# Altium PCB DCAC_V2b.PcbDoc (part 2 of 7)
Units mm, origin at the board's own origin, x right, y up, seen from the top; angles counter-clockwise.
Board outline 174.4 x 124.43 mm, 4 copper layers (Top Layer, TOP_RTN, BOTT_RTN, Bottom Layer), stack 1.506 mm thick; 694 components, 367 nets, 1780 pads, 720 vias.
Unrouted connection lines stored in the file: 173.
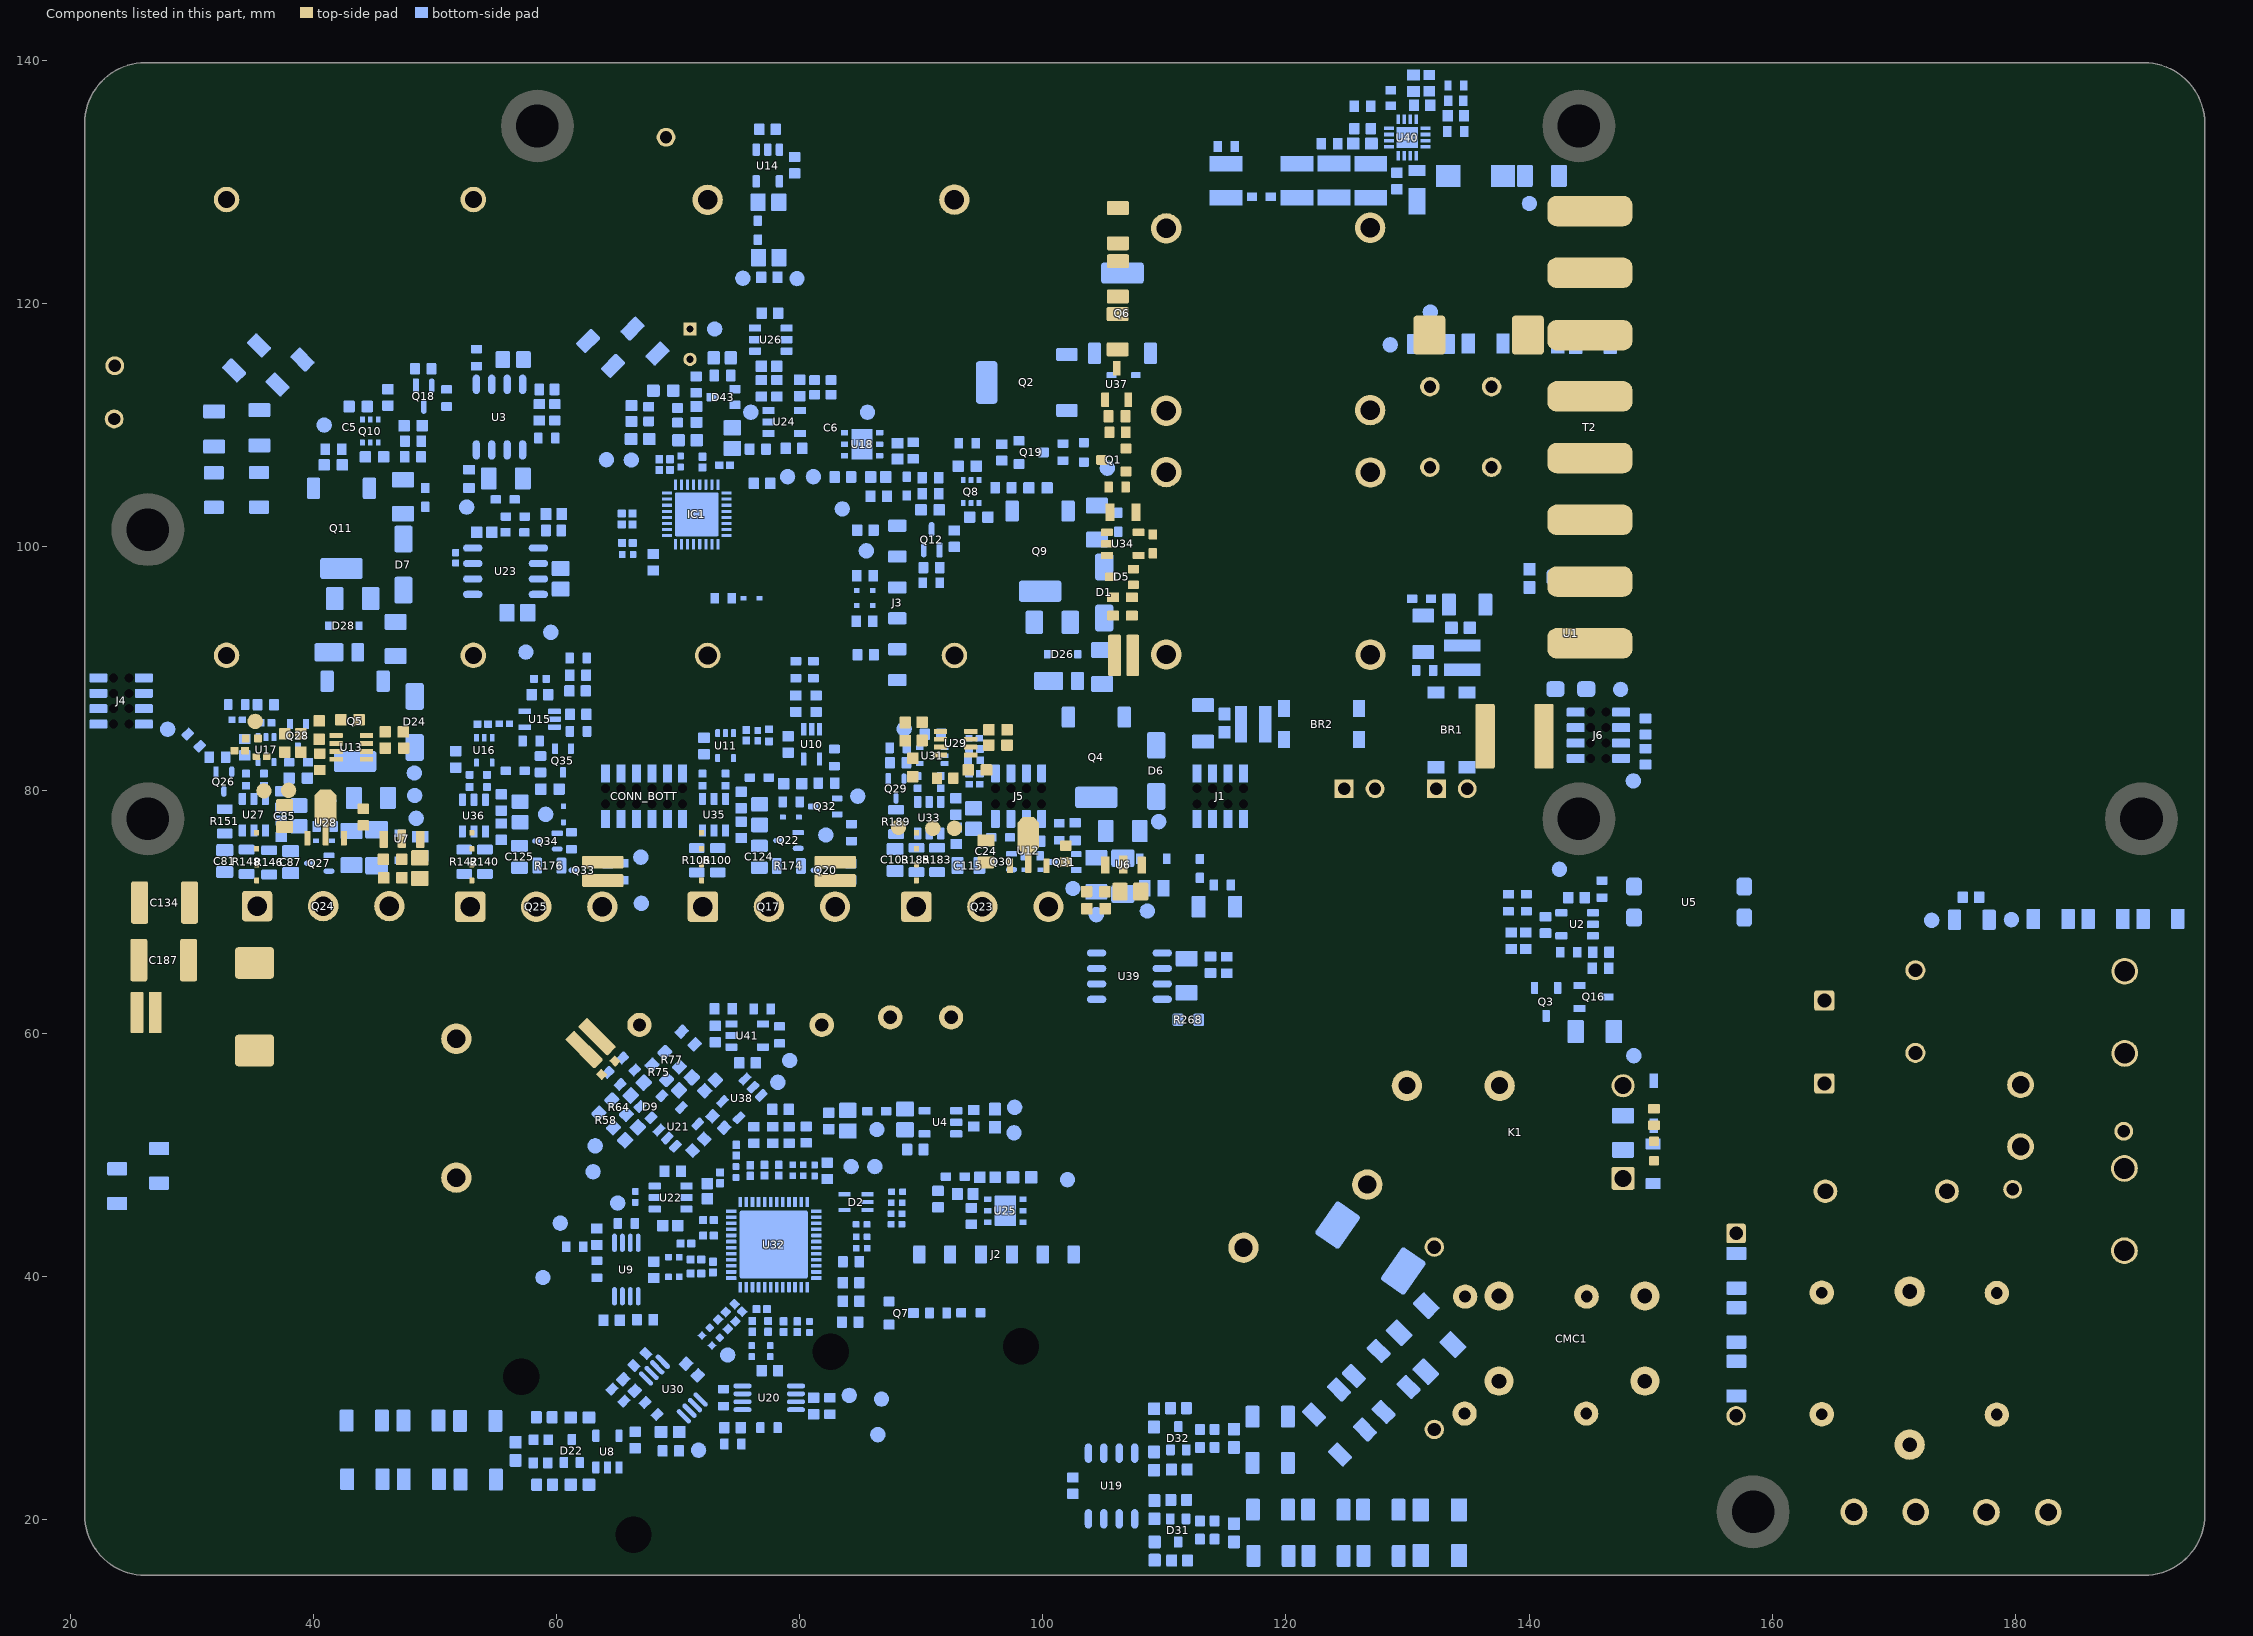
[diagram p4: the components of this part, seen from the top]

## Components (designator, comment, footprint, x,y, rotation, side; value= is the part's Value field where it differs from the comment) (continued)
R134 "422K 0.1% 1206" RESC1206(3216)_N 48.875,23.3 r180 bottom value="1500000.00 Ohm"
R135 "422K 0.1% 1206" RESC1206(3216)_N 53.55,23.275 r180 bottom value="1500000.00 Ohm"
R136 "499R 0.1%" RESC1608X55X30LL20T20 58.681,24.654 r0 bottom
R137 "1K" RESC1608X55X30NL15T15#1 69.395,25.63 r180 bottom
R138 "330R" RESC1608X55X25NL10T15#1 53.4,115.575 r270 bottom
R139 "422K 0.1% 1206" RESC1206(3216)_N 44.175,28.125 r180 bottom value="1500000.00 Ohm"
R140 "4.7R" RESC2012X70N 54.1,74.1 r270 bottom value=N/A
R141 "33K" RESC1005X40X25ML05T05#1 52.85,80.75 r270 bottom
R142 "1R" RESC2012X70N 52.4,74.1 r270 bottom value=N/A
R143 "10K" RESC1609X55X30NL15T15#2 79.425,80.525 r0 bottom
R144 "1K" RESC1005X40X25NL05T10 33.725,85.775 r0 bottom
R145 "51K" RESC1005X40X25ML05T05#1 35.925,80.85 r270 bottom
R146 "4.7R" RESC2012X70N 36.35,74.05 r270 bottom value=N/A
R147 "51K" RESC1005X40X25ML05T05#1 34.45,80.85 r270 bottom
R148 "1R" RESC2012X70N 34.5,74.1 r270 bottom value=N/A
R149 "33K" RESC1005X40X25ML05T05#2 34.925,84.25 r180 top
R150 "10K" RESC1609X55X30NL15T15#2 38.75,80.985 r0 bottom
R151 "6.2R" RESC2012X70N 32.7,77.425 r270 bottom value=N/A
R152 "1R" RESC1608X55X30NL15T15#3 145.875,65.325 r180 bottom
R153 "330R" RESC1608X55X25NL10T15#2 30.15,84.1 r315 bottom
R154 "330R" RESC1608X55X25NL10T15#2 33.675,87.025 r0 bottom
R155 "330R" RESC1608X55X25NL10T15#2 40.95,77 r0 bottom
R156 "1K" RESC1005X40X25NL05T10 94.35,84.25 r180 bottom
R157 "100k" RESC1608X55X30NL15T15#2 32.1,82.7 r180 bottom
R158 "100k" RESC1608X55X30NL15T15#2 36.075,87.025 r180 bottom
R159 "33K" RESC1005X40X25ML05T05#2 94.35,82.45 r0 bottom
R160 "49.9R" RESC1005X40X25NL05T05#1 65.85,99.375 r0 bottom
R161 "0R 1206" RESC3216X70X50NL05T20#2 31.8,104.675 r90 bottom
R162 "10K" RESC1609X55X30NL15T15#1 38.965,83.87 r90 top
R163 "2K" RESC1609X55X30NL15T15#1 40.465,84.935 r90 top
R164 "10K" RESC1609X55X30NL15T15#1 37.64,83.87 r90 top
R165 "56K" RESC1609X55X30NL15T15#1 46.64,84.78 r180 top
R166 "10K" RESC1609X55X30NL15T15#1 46.66,83.455 r0 top
R167 "10K" RESC1609X55X30NL15T15#1 43.01,85.78 r0 top
R168 "422K 0.1% 1206" RESC1206(3216)_N 31.825,109.7 r270 bottom value="1500000.00 Ohm"
R169 "422K 0.1% 1206" RESC1206(3216)_N 34.5,115.55 r225 bottom value="1500000.00 Ohm"
R170 "422K 0.1% 1206" RESC1206(3216)_N 67.275,116.925 r135 bottom value="1500000.00 Ohm"
R171 "49.9R" RESC1608X55X30NL15T15#1 85.425,91.125 r0 bottom
R172 "1K" RESC1005X40X25NL05T10 94.375,80.475 r180 bottom
R173 "422K 0.1% 1206" RESC1206(3216)_N 48.85,28.125 r180 bottom value="1500000.00 Ohm"
R174 "6.2R" RESC2012X70N 79.1,73.755 r180 bottom value=N/A
R175 "10K" RESC1609X55X30NL15T15#2 59.45,80.075 r0 bottom
R176 "6.2R" RESC2012X70N 59.4,73.785 r180 bottom value=N/A
R177 "330R" RESC1608X55X25NL10T15#2 73.7,95.775 r0 bottom
R178 "18K" RESC1608X55X30NL20T20#1 59.775,102.7 r180 bottom
R179 "10K" RESC1609X50X30NL10T20 59.75,101.35 r0 bottom
R180 "49.9R" RESC1005X40X25NL05T05#1 80.3,48.725 r90 bottom
R181 "51K" RESC1005X40X25ML05T05#1 91.6,80.65 r270 bottom
R182 "49.9R" RESC1005X40X25NL05T05#1 79.425,48.725 r270 bottom
R183 "4.7R" RESC2012X70N 91.3,74.25 r270 bottom value=N/A
R184 "51K" RESC1005X40X25ML05T05#1 89.7,80.65 r270 bottom
R185 "1R" RESC2012X70N 89.6,74.25 r270 bottom value=N/A
R186 "100k" RESC1608X55X30NL15T15#2 71.475,113.35 r270 bottom
R187 "100k" RESC1608X55X30NL15T15#4 126.3,136.25 r180 bottom
R188 "10K" RESC1609X50X30NL10T20 99.175,75.775 r180 bottom
R189 "6.2R" RESC2012X70N 87.925,77.375 r270 bottom value=N/A
R190 "422K 0.1% 1206" RESC1206(3216)_N 53.516,28.103 r180 bottom value="1500000.00 Ohm"
R191 "499R 0.1%" RESC1608X55X30LL20T20 69.95,110.825 r270 bottom
R192 "4.99K 0.1%" RESC1608X55X30NL20T20#2 71.5,110.9 r270 bottom
R193 "330R" RESC1608X55X25NL10T15#2 93.775,108.525 r0 bottom
R194 "4.99K 0.1%" RESC1608X55X30NL20T20#2 111.15,29.15 r0 bottom
R195 "330R" RESC1608X55X25NL10T15#2 88.1,83.475 r180 bottom
R196 "499R 0.1%" RESC1608X55X30LL20T20 58.706,26.554 r0 bottom
R197 "4.99K 0.1%" RESC1608X55X30NL20T20#2 58.981,28.404 r0 bottom
R198 "52.3K" RESC1608X55X25LL10T15#1 133.975,137.95 r0 bottom
R199 "49.9R" RESC1005X40X25NL05T05#1 70.2,107.025 r270 bottom
R200 "49.9R" RESC1005X40X25NL05T05#1 87.96,44.28 r0 bottom
R201 "0R 1206" RESC3216X70X50NL05T20#2 23.85,47.415 r270 bottom
R202 "0R 1206" RESC3216X70X50NL05T20#2 27.3,49.09 r270 bottom
R203 "1K" RESC1005X40X25NL05T10 51.69,99.105 r90 bottom
R204 "1K 0.1%" RESC1608X55X25NL10T15#1 76.9,62 r180 bottom
R205 "49.9R 0.1%" RESC1608X55X25ML10T15 107.325,95.1 r90 top
R206 "100R" RESC1608X55X25NL10T15#1 106.105,104.93 r0 top
R207 "1K 0.1%" RESC1608X55X25NL10T15#2 67.775,29.125 r135 bottom
R208 "330R" RESC1608X55X25NL10T15#2 101.35,76.575 r270 bottom
R209 "330R" RESC1608X55X25LL10T15#2 99.125,74.59 r180 bottom
R210 "49.9R" RESC1005X40X25NL05T05#1 69.65,41.575 r0 bottom
R211 "1K 0.1%" RESC1608X55X30LL20T20 82.575,113.125 r270 bottom
R212 "1.65K 0.1%" RESC1608X55X30LL20T20 81.225,113.125 r90 bottom
R213 "49.9R 0.1%" RESC1608X55X25ML10T15 105.775,95.1 r90 top
R214 "59R" RESC1608X55X30NL15T15#2 76.55,108.05 r0 bottom
R215 "1K" RESC1608X55X30NL15T15#1 78.125,113.05 r270 bottom
R216 "18K" RESC1608X55X30NL20T10 106.1,110.75 r180 top
R217 "49.9R" RESC1005X40X25NL05T05#1 81.225,48.7 r270 bottom
R218 "10K 1206" RESC3216X70X50NL05T20#2 131.925,116.7 r0 bottom
R219 "10K 1206" RESC3216X70X50NL05T20#2 176.415,69.33 r180 bottom
R220 "100k" RESC1608X55X30NL15T15#2 88.1,82.25 r180 bottom
R221 "100k" RESC1608X55X30NL15T15#5 102.65,76.575 r270 bottom
R222 "18K" RESC1608X55X30NL20T20#1 88.05,107.875 r270 bottom
R223 "10K" RESC1609X55X30NL15T15#2 41.625,106.75 r0 bottom
R224 "470R" RESC1608X55X30NL15T15#1 48.2,108.7 r0 bottom
R225 "330R" RESC1608X55X25NL10T15#2 50.95,112.25 r90 bottom
R226 "100k" RESC1608X55X30NL15T15#2 49.025,114.65 r180 bottom
R227 "330R" RESC1608X55X25NL10T15#2 84.25,76.5 r270 bottom
R228 "330R" RESC1608X55X25NL10T15#2 82.85,82.675 r270 bottom
R229 "330R" RESC1608X55X25NL10T15#2 79.3,79.025 r180 bottom
R230 "100k" RESC1608X55X30NL15T15#2 84.2,73.275 r90 bottom
R231 "100k" RESC1608X55X30NL15T15#2 82.2,80.575 r0 bottom
R232 "1K" RESC1608X55X30NL15T15#1 89.325,107.925 r90 bottom
R233 "330R" RESC1608X55X25NL10T15#2 65.475,73.275 r90 bottom
R234 "330R" RESC1608X55X25NL10T15#2 57.9,84.025 r0 bottom
R235 "330R" RESC1608X55X25NL10T15#2 61.225,75.825 r270 bottom
R236 "100k" RESC1608X55X30NL15T15#2 64.2,73.275 r90 bottom
R237 "100k" RESC1608X55X30NL15T15#2 58.675,82.125 r90 bottom
R238 "4.7K" RESC1608X55X30NL15T15#1 106.15,109.425 r0 top
R239 "47K" RESC1206(3216)_N 106.15,117.7 r90 top value="1500000.00 Ohm"
R240 "47K" RESC1206(3216)_N 106.175,122.05 r90 top value="1500000.00 Ohm"
R241 "3.9k 0.1%" RESC1608X55X30ML20T20 73.625,115.55 r0 bottom
R242 "47K" RESC1206(3216)_N 106.175,126.425 r90 top value="1500000.00 Ohm"
R243 "1K" RESC1608X55X30NL15T15#1 73.65,114.1 r180 bottom
R244 "1K 0.1%" RESC1608X55X25NL10T15#2 66.85,33.15 r45 bottom
R245 "49.9R" RESC1005X40X25NL05T05#1 72.275,35.45 r45 bottom
R246 "1K 0.1%" RESC1608X55X25NL10T15#2 65.05,30.225 r315 bottom
R247 "0.47R" RESC1608X55X25NL10T15#3 115.075,132.925 r180 bottom
R248 "2.49K" RESC1608X55X30LL15T15 133.975,136.7 r180 bottom
R249 "330R" RESC1608X55X25NL10T15#3 133.975,134.175 r180 bottom
R250 "18.7K" RESC1608X55X30LL15T15 128.625,136.925 r270 bottom
R251 "8.06K" RESC1609X50X30ML10T20 130.5,138.15 r90 bottom
R252 "33K" RESC1005X40X25ML05T05#2 77.475,84.5 r270 bottom
R253 "33K" RESC1005X40X25ML05T05#2 58.65,89.15 r180 bottom
R254 "3.9K" RESC1608X55X30NL15T15#6 73.7,62 r0 bottom
R255 "49.9R" RESC1608X55X30NL15T15#1 77.775,51.625 r270 bottom
R256 "1K" RESC1608X55X30NL15T15#1 115.125,65.6 r90 bottom
R257 "0.47R" RESC1608X55X25NL10T15#1 131.4,89.845 r180 bottom
R258 "5.1R" RESC1608X55X30NL15T15#1 123.585,133.175 r0 bottom
R259 "1K" RESC1608X55X30NL15T15#1 145.905,66.655 r180 bottom
R260 "422K 0.1% 1206" RESC3216X70X40ML20T20 132.619,33.269 r45 bottom value="1500000.00 Ohm"
R261 "422K 0.1% 1206" RESC3216X70X40ML20T20 130.42,36.46 r45 bottom value="1500000.00 Ohm"
R262 "2K" RESC2013X70X40LL20T20 109.15,71.925 r180 bottom
R263 "2K" RESC2013X70X40LL20T20 48.775,75.375 r270 bottom
R264 "422K 0.1% 1206" RESC3216X70X40ML20T20 132.66,20.785 r0 bottom value="1500000.00 Ohm"
R265 "422K 0.1% 1206" RESC3216X70X40ML20T20 132.66,17.02 r0 bottom value="1500000.00 Ohm"
R266 "49.9R" RESC1005X40X25NL05T05#2 87.965,45.145 r180 bottom
R267 "1.5K 0.1%" RESC1608X55X25NL10T15#1 78.325,59.85 r270 bottom
R268 "Thick Film" RESC1608X55N 111.966,61.1 r180 bottom value=0R
Rcsn1 "0.02R" RESC1632X80N 63.8,73.3 r270 top
Rcsn2 "0.02R" RESC1632X80N 82.925,73.3 r270 top
Rcsn3 "0.02R" RESC1632X80N 62.8,59.175 r225 top
Rcsn4 "0.02R" RESC1632X80N 26.233,61.698 r0 top
RcsnHV "0.02R" RESC1632X80N 106.65,91.075 r0 top
T2 "LLC 400W" ETD39-K-V-16P-HORIZONTAL-SEC 139.711,87.5 r0 top locked
TP1 "TESTPOINT" TP-R60 109.525,77.4 r180 bottom
TP2 "TESTPOINT" TP-R60 104.4,69.75 r180 bottom
TP3 "TESTPOINT" TP-R60 90.95,76.85 r0 top
TP4 "TESTPOINT" TP-R60 88.125,76.925 r0 top
TP5 "TESTPOINT" TP-R60 108.6,70.05 r180 bottom
TP6 "TESTPOINT" TP-R60 88.59,85.025 r180 bottom
TP7 "5002" KSTN-5002 23.6,110.525 r0 top
TP8 "TESTPOINT" TP-R60 102.475,71.9 r180 bottom
TP9 "5001" KSTN-5001 69,133.7 r0 top
TP10 "5001" KSTN-5001 23.65,114.9 r0 top
TP11 "TESTPOINT" TP-R60 92.725,76.85 r0 top
TP12 "TESTPOINT" TP-R60 35.925,79.925 r0 top
TP13 "TESTPOINT" TP-R60 37.95,79.975 r0 top
TP14 "TESTPOINT" TP-R60 35.205,85.645 r0 top
TP15 "TESTPOINT" TP-R60 48.3,81.4 r180 bottom
TP16 "TESTPOINT" TP-R60 48.45,77.675 r180 bottom
TP17 "TESTPOINT" TP-R60 48.325,79.55 r180 bottom
TP18 "TESTPOINT" TP-R60 28,85 r180 bottom
TP19 "TESTPOINT" TP-R60 41.25,79.1 r180 bottom
TP20 "TESTPOINT" TP-R60 74.075,33.525 r180 bottom
TP21 "TESTPOINT" TP-R60 58.875,39.9 r180 bottom
TP22 "TESTPOINT" TP-R60 97.675,53.9 r180 bottom
TP23 "TESTPOINT" TP-R60 63,48.6 r180 bottom
TP24 "TESTPOINT" TP-R60 97.625,51.8 r180 bottom
TP25 "5002" KSTN-5002 179.775,47.15 r90 bottom
TP26 "5002" KSTN-5002 188.915,51.925 r90 bottom
TP27 "TESTPOINT" TP-R60 102.025,47.95 r180 bottom
TP28 "TESTPOINT" TP-R60 78.2,55.95 r180 bottom
TP29 "TESTPOINT" TP-R60 86.425,26.975 r180 bottom
TP30 "TESTPOINT" TP-R60 65.025,46.025 r180 bottom
TP31 "TESTPOINT" TP-R60 86.725,29.9 r180 bottom
TP32 "TESTPOINT" TP-R60 84.075,30.2 r180 bottom
TP33 "TESTPOINT" TP-R60 71.675,25.7 r180 bottom
TP34 "TESTPOINT" TP-R60 86.35,52.075 r180 bottom
TP35 "TESTPOINT" TP-R60 84.225,49.025 r180 bottom
TP36 "TESTPOINT" TP-R60 86.175,49.025 r180 bottom
TP37 "TESTPOINT" TP-R60 63.175,50.725 r180 bottom
TP38 "TESTPOINT" TP-R60 60.3,44.375 r180 bottom
TP39 "TESTPOINT" TP-R60 79.175,57.75 r180 bottom
TP41 "TESTPOINT" TP-R60 75.325,122.1 r90 bottom
TP42 "TESTPOINT" TP-R60 79.775,122.075 r90 bottom
TP43 "TESTPOINT" TP-R60 85.475,99.675 r180 bottom
TP44 "TESTPOINT" TP-R60 140.025,128.25 r180 bottom
TP45 "TESTPOINT" TP-R60 73,117.925 r180 bottom
TP46 "TESTPOINT" TP-R60 105.3,106.475 r180 bottom
TP47 "TESTPOINT" TP-R60 40.875,110.025 r180 bottom
TP48 "TESTPOINT" TP-R60 52.6,103.275 r180 bottom
TP49 "TESTPOINT" TP-R60 59.525,92.975 r180 bottom
TP50 "TESTPOINT" TP-R60 57.475,91.35 r180 bottom
TP51 "TESTPOINT" TP-R60 84.775,79.5 r180 bottom
TP52 "TESTPOINT" TP-R60 82.15,76.3 r180 bottom
TP53 "TESTPOINT" TP-R60 66.925,74.475 r180 bottom
TP54 "TESTPOINT" TP-R60 59.1,78 r180 bottom
TP55 "TESTPOINT" TP-R60 66.15,107.15 r180 bottom
TP56 "TESTPOINT" TP-R60 64.1,107.175 r180 bottom
TP57 "TESTPOINT" TP-R60 75.975,111.075 r180 bottom
TP58 "TESTPOINT" TP-R60 81.125,105.775 r180 bottom
TP59 "TESTPOINT" TP-R60 79,105.775 r180 bottom
TP60 "TESTPOINT" TP-R60 85.575,111.075 r180 bottom
TP61 "TESTPOINT" TP-R60 66.975,70.675 r180 bottom
TP62 "TESTPOINT" TP-R60 83.5,103.125 r180 bottom
TP63 "TESTPOINT" TP-R60 147.525,88.275 r180 bottom
TP64 "TESTPOINT" TP-R60 131.875,119.325 r180 bottom
TP65 "TESTPOINT" TP-R60 142.495,73.48 r180 bottom
TP66 "TESTPOINT" TP-R60 128.575,116.625 r270 bottom
TP67 "TESTPOINT" TP-R60 173.11,69.28 r0 bottom
TP68 "TESTPOINT" TP-R60 148.575,80.75 r180 bottom
TP69 "TESTPOINT" TP-R60 179.675,69.34 r180 bottom
TP70 "TESTPOINT" TP-R60 148.615,58.15 r180 bottom
U1 "LTV-814S" LTV-814S#1 142.186,97.417 r270 bottom
U2 "MCP6V96" SOT23-5 143.95,68.955 r180 bottom
U3 "LP2951DR" SOIC127P600X175-8AN 55.3,110.675 r90 bottom
U4 "TC1185-3.3VCT713 / LD3985 / TPS7A20" SOT23-5 91.573,52.667 r180 bottom
U5 "LTV-814S" LTV-814S#2 157.687,72.029 r180 bottom
U6 "TL431IPK" PK0003A_N 106.625,75.625 r90 top
U7 "TL431IPK" PK0003A_N 47.275,77.75 r90 top
U8 "MCP6V96" SOT23-5 64.181,25.579 r90 bottom
U9 "TSV792IDT" SOP65P490X109-8N 65.738,40.555 r90 bottom
U10 "74AHC1G08SE-7" DCK0005A_M 80.975,83.775 r270 bottom
U11 "SN74AHCT1G126DCKR" DCK0005A_L 73.9,83.65 r270 bottom
U12 "AP7370" SOT-89_L 98.8,75.475 r90 top
U13 "LM393DT" SOT65P280X110-8N 43.11,83.505 r180 top
U14 "TC1185-3.3VCT713 / LD3985 / TPS7A20" SOT23-5 77.375,131.375 r270 bottom
U15 "74AHC1G08SE-7" DCK0005A_M 58.6,85.825 r180 bottom
U16 "SN74AHCT1G126DCKR" DCK0005A_L 54.05,83.275 r270 bottom
U17 "SN74AHCT1G126DCKR" DCK0005A_L 36.1,83.325 r270 bottom
U18 "LDL212" LDL212PUR 85.125,108.45 r180 bottom
U19 "MCP6L72T-E/SN" SOIC127P600X175-8AN 105.65,22.75 r270 bottom
U20 "TSV792IDT" SOP65P490X109-8N 77.49,30.001 r180 bottom
U21 "MCP6V96" SOT23-5 70.015,52.287 r45 bottom
U22 "ADR3425ARJZ-R2" SOT23-6 69.376,46.477 r0 bottom
U23 "LM2663M/NOPB" SOIC127P600X175-8AN 55.8,98 r180 bottom
U24 "TLV9051IDBVR" SOT23-5 78.725,110.275 r0 bottom
U25 "LDL212" LDL212PUR 96.915,45.392 r0 bottom
U26 "ADR3433ARJZ-R2" SOT23-6 77.625,117.05 r0 bottom
U27 "1EDN8550B" SOT23-6 35.1,77.975 r270 bottom
U28 "AP7370" SOT-89_L 41,77.75 r90 top
U29 "LM393DT" SOT65P280X110-8N 92.825,83.85 r180 top
U30 "TSV792IDT" SOP65P490X109-8N 69.6,30.725 r135 bottom
U31 "SN74AHCT1G126DCKR" DCK0005A_L 90.9,82.825 r180 bottom
U32 "STM32G491CCU" QFN50P700X700X65-49N-D 77.864,42.606 r90 bottom
U33 "1EDN8550B" SOT23-6 90.65,77.725 r270 bottom
U34 "MCP6V96" SOT23-5 106.575,100.25 r0 top
U35 "1EDN8550B" SOT23-6 72.95,77.975 r270 bottom
U36 "1EDN8550B" SOT23-6 53.2,77.9 r270 bottom
U37 "TL431AQDBZR" DBZ0003A_M 106.075,113.4 r90 top
U38 "TC1185-3.3VCT713 / LD3985 / TPS7A20" SOT23-5 75.243,54.635 r225 bottom
U39 "TMCS1100" SOIC127P600X175-8AN 107.12,64.685 r0 bottom
U40 "LM51571QRTERQ1" QFN50P300X300X80-17N-D 129.975,133.675 r0 bottom
U41 "MCP6V96" SOT23-5 75.675,59.8 r0 bottom

## Footprints (in the part's own frame and the unit in brackets; to place one, negate y for a bottom-side part, rotate by r counter-clockwise, add the part's x,y. Pads: shape width x height; smd on the part's side, far side on the other; paste and mask are expansions set on the pad)
0603_A [mm] "Chip LED, 2-Leads, Body 1.6x0.8mm, IPC Medium Density"
  rrect20% 0.8x0.8 smd: 1(-0.8,0) 2(0.8,0)
  silkscreen extent -1.5,-0.3 -1.5,0.3, body extent -0.8,-0.4 0.8,0.4, height 0.7
1217861-1 [mm]
  round 2.2 hole 1.45: 1(-2.54,0) 2(2.54,0)
  silkscreen extent -3.96,-0.42 3.96,0.42, body extent -3.96,-1.54 3.96,1.54, height 10.26
AC240 [mm]
  round 2.5 hole 1.2: 1(0,0) 2(12.6,0)
  silkscreen extent 1.59,-4 11.02,4
C4AQLLW5360M36K [mm]
  round 2.1 hole 1.4: 1(0,0) 2(0,20.3) 3(37.5,0) 4(37.5,20.3)
  silkscreen extent -2.25,-7.35 39.75,27.65, body extent -2.25,-7.35 39.75,27.65, height 24.3
C4AQLLW5450A38K [mm]
  round 2.1 hole 1.5: 1(0,20.3) 1(0,0)
  round 2.5 hole 1.6: 2(37.48,20.3) 2(37.5,0)
  silkscreen extent -2.55,-11.48 40.05,31.93, body extent -2.55,-11.48 40.05,31.93, height 25.2
CAPC1005X55X25NL05T10 [mm]
  rrect15% 0.66x0.62 smd: 1(-0.44,0) 2(0.44,0)
  body extent -0.53,-0.28 0.53,0.27, height 0.55
CAPC1005X56X25NL10T15#1 [mm]
  rrect15% 0.68x0.64 smd: 1(-0.44,0) 2(0.44,0)
  body extent -0.55,-0.3 0.55,0.3, height 0.56
CAPC1005X56X25NL10T15#2 [mm] "Chip Capacitor, 2-Leads, Body 1.00x0.50mm, IPC Medium Density"
  rrect20% 0.68x0.64 smd: 1(-0.44,0) 2(0.44,0)
  body extent -0.55,-0.3 0.55,0.3, height 0.56
CAPC1206(3216)190_N [mm]
  rrect15% 1.15x1.8 smd: 1(-1.5,0) 2(1.5,0)
  silkscreen extent -0.55,-0.8 0.55,0.8, body extent -1.7,-0.9 1.7,0.9, height 1.9
CAPC1608X86X35NL15T15 [mm]
  rrect15% 1.05x1 smd: 1(-0.75,0) 2(0.75,0)
  body extent -0.87,-0.48 0.87,0.48, height 0.86
CAPC1608X90X35NL10T15#1 [mm]
  rrect15% 0.85x0.95 smd: 1(-0.675,0) 2(0.675,0)
  body extent -0.85,-0.45 0.85,0.45, height 0.9
CAPC1608X90X35NL10T15#2 [mm] "Chip Capacitor, 2-Leads, Body 1.60x0.80mm, IPC Medium Density"
  rrect20% 0.85x0.95 smd: 1(-0.675,0) 2(0.675,0)
  body extent -0.85,-0.45 0.85,0.45, height 0.9
CAPC1608X90X35NL10T15#3 [mm] "Chip Capacitor, 2-Leads, Body 1.60x0.80mm, IPC Medium Density"
  rect 0.85x0.95 smd: 1(-0.675,0) 2(0.675,0)
  body extent -0.85,-0.45 0.85,0.45, height 0.9
CAPC1608X90X35NL15T15#1 [mm] "Chip Capacitor, 2-Leads, Body 1.60x0.81mm, IPC Medium Density"
  rrect20% 1.05x1 smd: 1(-0.75,0) 2(0.75,0)
  body extent -0.88,-0.48 0.88,0.48, height 0.9
CAPC1608X90X35NL15T15#2 [mm]
  rrect15% 1.05x1 smd: 1(-0.75,0) 2(0.75,0)
  body extent -0.88,-0.48 0.88,0.48, height 0.9
CAPC1608X90X35NL15T15#3 [mm] "Chip Capacitor, 2-Leads, Body 1.60x0.81mm, IPC Medium Density"
  rrect20% 1.05x1 smd: 1(-0.875,0) 2(0.765,0)
  body extent -0.88,-0.48 0.87,0.48, height 0.9
CAPC1608X90X40NL10T20 [mm]
  rrect15% 0.95x0.95 smd: 1(-0.625,0) 2(0.625,0)
  body extent -0.85,-0.45 0.85,0.45, height 0.9
CAPC2012X135N [mm] "Chip Capacitor, Body 2.0x1.2mm, EIA 0805, IPC Medium Density"
  round 0.254 on Mech15: 0(0,0)
  rrect25% 1x1.4 smd: 1(-0.9,0) 2(0.9,0)
  Top Layer pour cut-out: -0.675,0.7 -0.475,0.9 0.475,0.9 0.675,0.7 0.675,-0.7 0.475,-0.9 -0.475,-0.9 -0.675,-0.7
  silkscreen extent -0.15,-0.65 0.15,0.65, body extent -1.1,-0.72 1.1,0.73, height 1.34
CAPC2013X135X45NL10T25 [mm] "Chip Capacitor, 2-Leads, Body 2.10x1.35mm, IPC Medium Density"
  rrect20% 1.2x1.4 smd: 1(-0.85,0) 2(0.85,0)
  body extent -1.05,-0.68 1.05,0.67, height 1.35
CAPC2013X140X45NL15T25 [mm]
  rrect15% 1.25x1.45 smd: 1(-0.85,0) 2(0.85,0)
  body extent -1.08,-0.7 1.07,0.7, height 1.4
CAPC2013X145X20NL20 [mm]
  rrect15% 0.75x1.45 smd: 1(-1.075,0) 2(1.075,0)
  silkscreen extent -0.3,-0.63 0.3,0.63, body extent -1.1,-0.72 1.1,0.72, height 1.45
CAPC3216X180X50NL20T25 [mm]
  rrect15% 1.3x1.8 smd: 1(-1.4,0) 2(1.4,0)
  silkscreen extent -0.35,-0.8 0.35,0.8, body extent -1.7,-0.9 1.7,0.9, height 1.8
CAPC3216X229X50NL20T25 [mm]
  rrect15% 1.3x1.8 smd: 1(-1.4,0) 2(1.4,0)
  silkscreen extent -0.35,-0.8 0.35,0.8, body extent -1.7,-0.9 1.7,0.9, height 2.29
CAPC3225X279X50NL20T25 [mm] "Chip Capacitor, 2-Leads, Body 3.40x2.70mm, IPC Medium Density"
  rect 1.3x2.7 smd: 1(-1.4,0) 2(1.4,0)
  silkscreen extent -0.35,-1.25 0.35,1.25, body extent -1.7,-1.35 1.7,1.35, height 2.79
CAPC4532X280N [mm] "Chip Capacitor, Body 4.5x3.2mm, 1812, IPC Medium Density"
  round 0.508 on Mech15: 0(0,0)
  rrect25% 1.4x3.5 smd: 1(-2.05,0) 2(2.05,0)
  silkscreen extent -0.4,-1.6 0.4,1.6, body extent -2.45,-1.8 2.45,1.8, height 2.79
CAPC5750X279X64LL40T39 [mm]
  rrect15% 1.6x5.3 smd: 1(-2.425,0) 2(2.425,0)
  silkscreen extent -1.25,-2.55 1.25,2.55, body extent -3.05,-2.7 3.05,2.7, height 2.79
"CAPMF13.0x5.0x11.0x10.0mm LxWxHxP" [mm] "Capacitor, THT, Metallized Polypropylene Film, 10mm lead pitch"
  round 2 hole 0.965: 1(-5,0) 2(5,0)
  silkscreen extent -6.5,-2.5 6.5,2.5, body extent -6.5,-2.5 6.5,2.5, height 11
CDHD2006L [mm]
  rect 1.4x1 smd: 1(1.27,3.075) 2(1.27,-3.075) 3(-1.27,-3.075) 4(-1.27,3.075)
  silkscreen extent -2.37,-3.2 2.6,3.45, body extent -2.37,-3.47 2.37,3.47, height 1.32
CLP-104-02-XXX-D-BE#1 [mm]
  rect 0.74x1.47 smd: 1(1.905,-1.87) 2(1.905,1.87) 3(0.635,-1.87) 4(0.635,1.87) 5(-0.635,-1.87) 6(-0.635,1.87) 7(-1.905,-1.87) 8(-1.905,1.87)
  round 0.37 hole 0.74 unplated: 9(1.905,-0.635) 10(1.905,0.635) 11(0.635,-0.635) 12(0.635,0.635) 13(-0.635,-0.635) 14(-0.635,0.635) 15(-1.905,-0.635) 16(-1.905,0.635)
  silkscreen extent -2.76,-2.92 2.76,1.53, body extent -2.76,-2.17 2.76,2.15, height 2.13
CLP-104-02-XXX-D-BE#2 [mm]
  rrect20% 0.74x1.47 smd: 1(1.905,-1.87) 2(1.905,1.87) 3(0.635,-1.87) 4(0.635,1.87) 5(-0.635,-1.87) 6(-0.635,1.87) 7(-1.905,-1.87) 8(-1.905,1.87)
  round 0.37 hole 0.74 unplated: 9(1.905,-0.635) 10(1.905,0.635) 11(0.635,-0.635) 12(0.635,0.635) 13(-0.635,-0.635) 14(-0.635,0.635) 15(-1.905,-0.635) 16(-1.905,0.635)
  silkscreen extent -2.76,-2.92 2.76,1.53, body extent -2.76,-2.17 2.76,2.15, height 2.13
CLP-106-02-XXX-D-BE [mm]
  rect 0.74x1.47 smd: 1(3.175,-1.87) 2(3.175,1.87) 3(1.905,-1.87) 4(1.905,1.87) 5(0.635,-1.87) 6(0.635,1.87) 7(-0.635,-1.87) 8(-0.635,1.87) 9(-1.905,-1.87) 10(-1.905,1.87) 11(-3.175,-1.87) 12(-3.175,1.87)